# Altium PCB PCB.PcbDoc (part 1 of 2)
Units mm, origin at the board's own origin, x right, y up, seen from the top; angles counter-clockwise.
Board outline 100.01 x 69.88 mm, 2 copper layers (Top Layer, Bottom Layer); 124 components, 85 nets, 433 pads, 248 vias.
Unrouted connection lines stored in the file: 2.
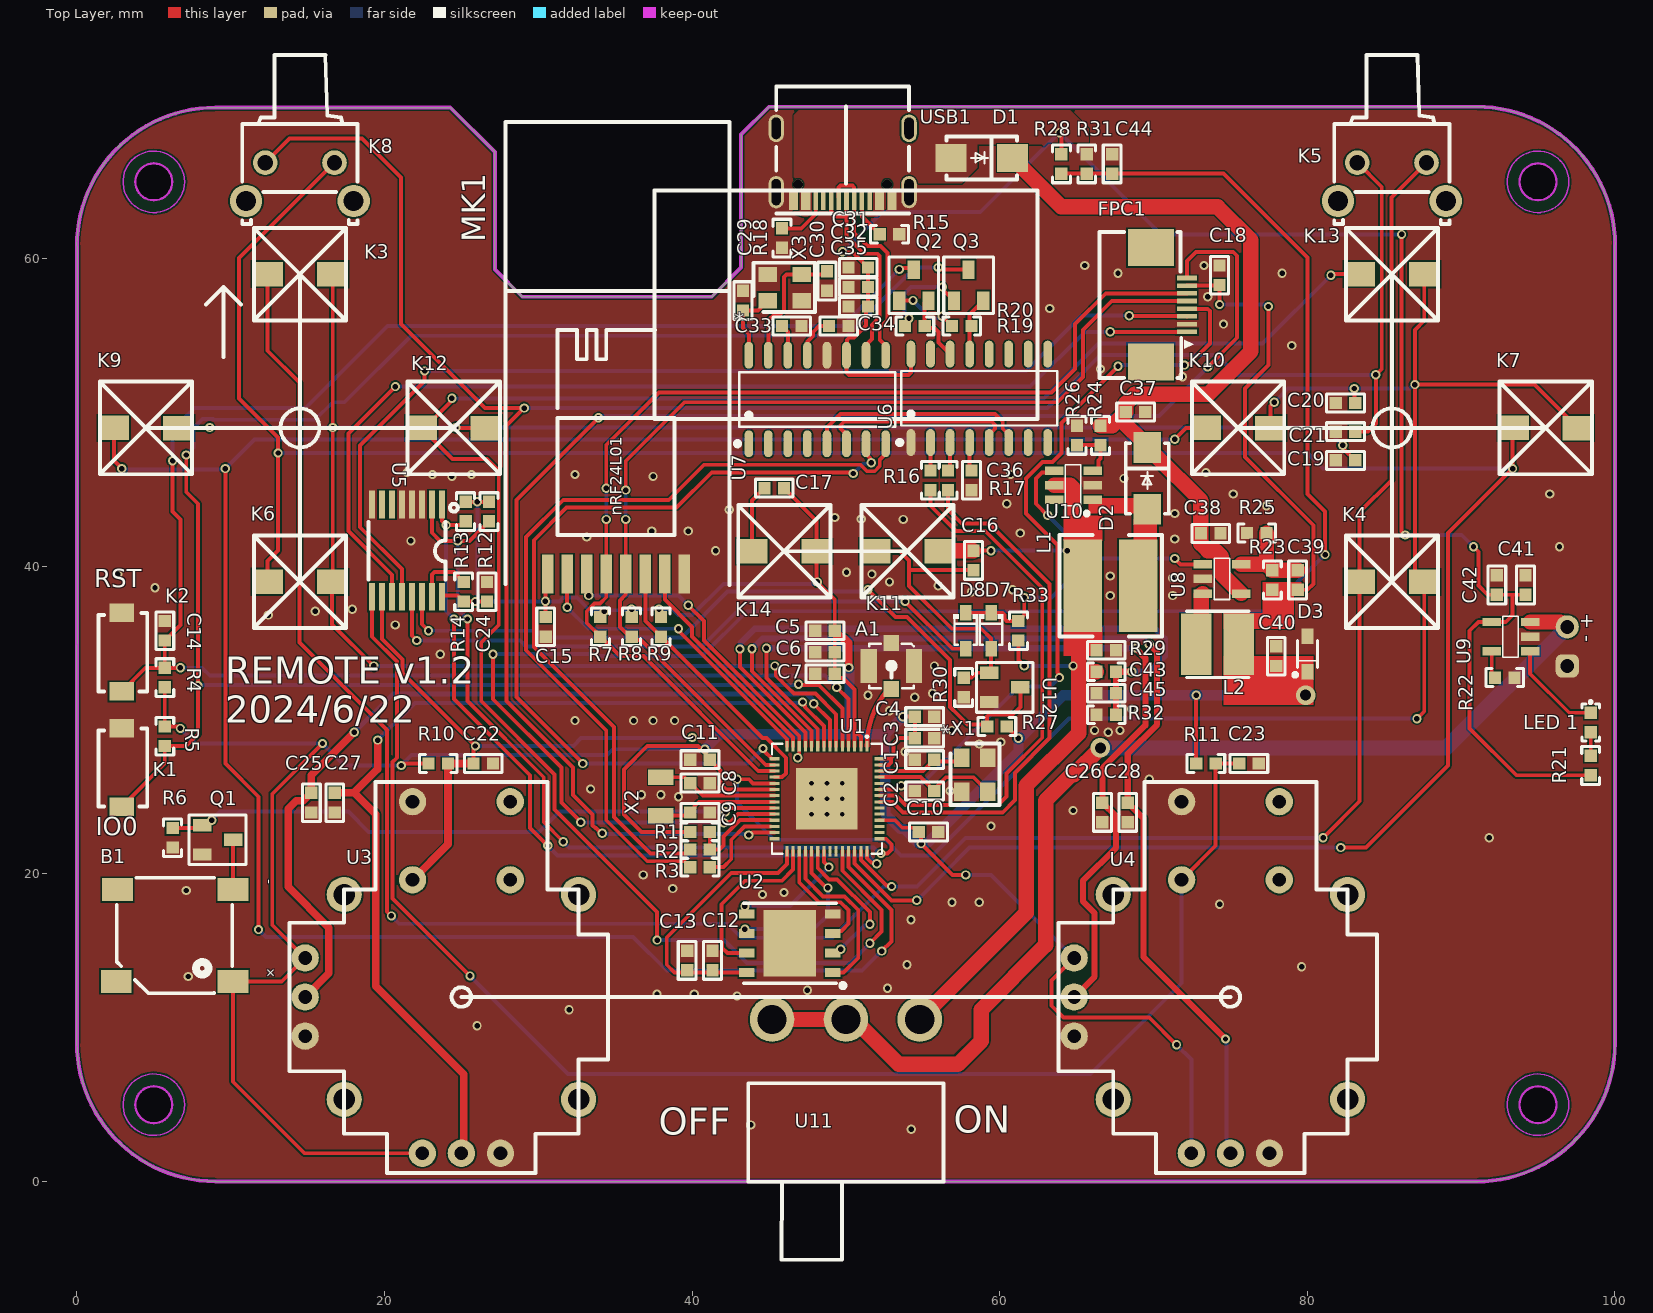
[diagram p0: Top Layer view]
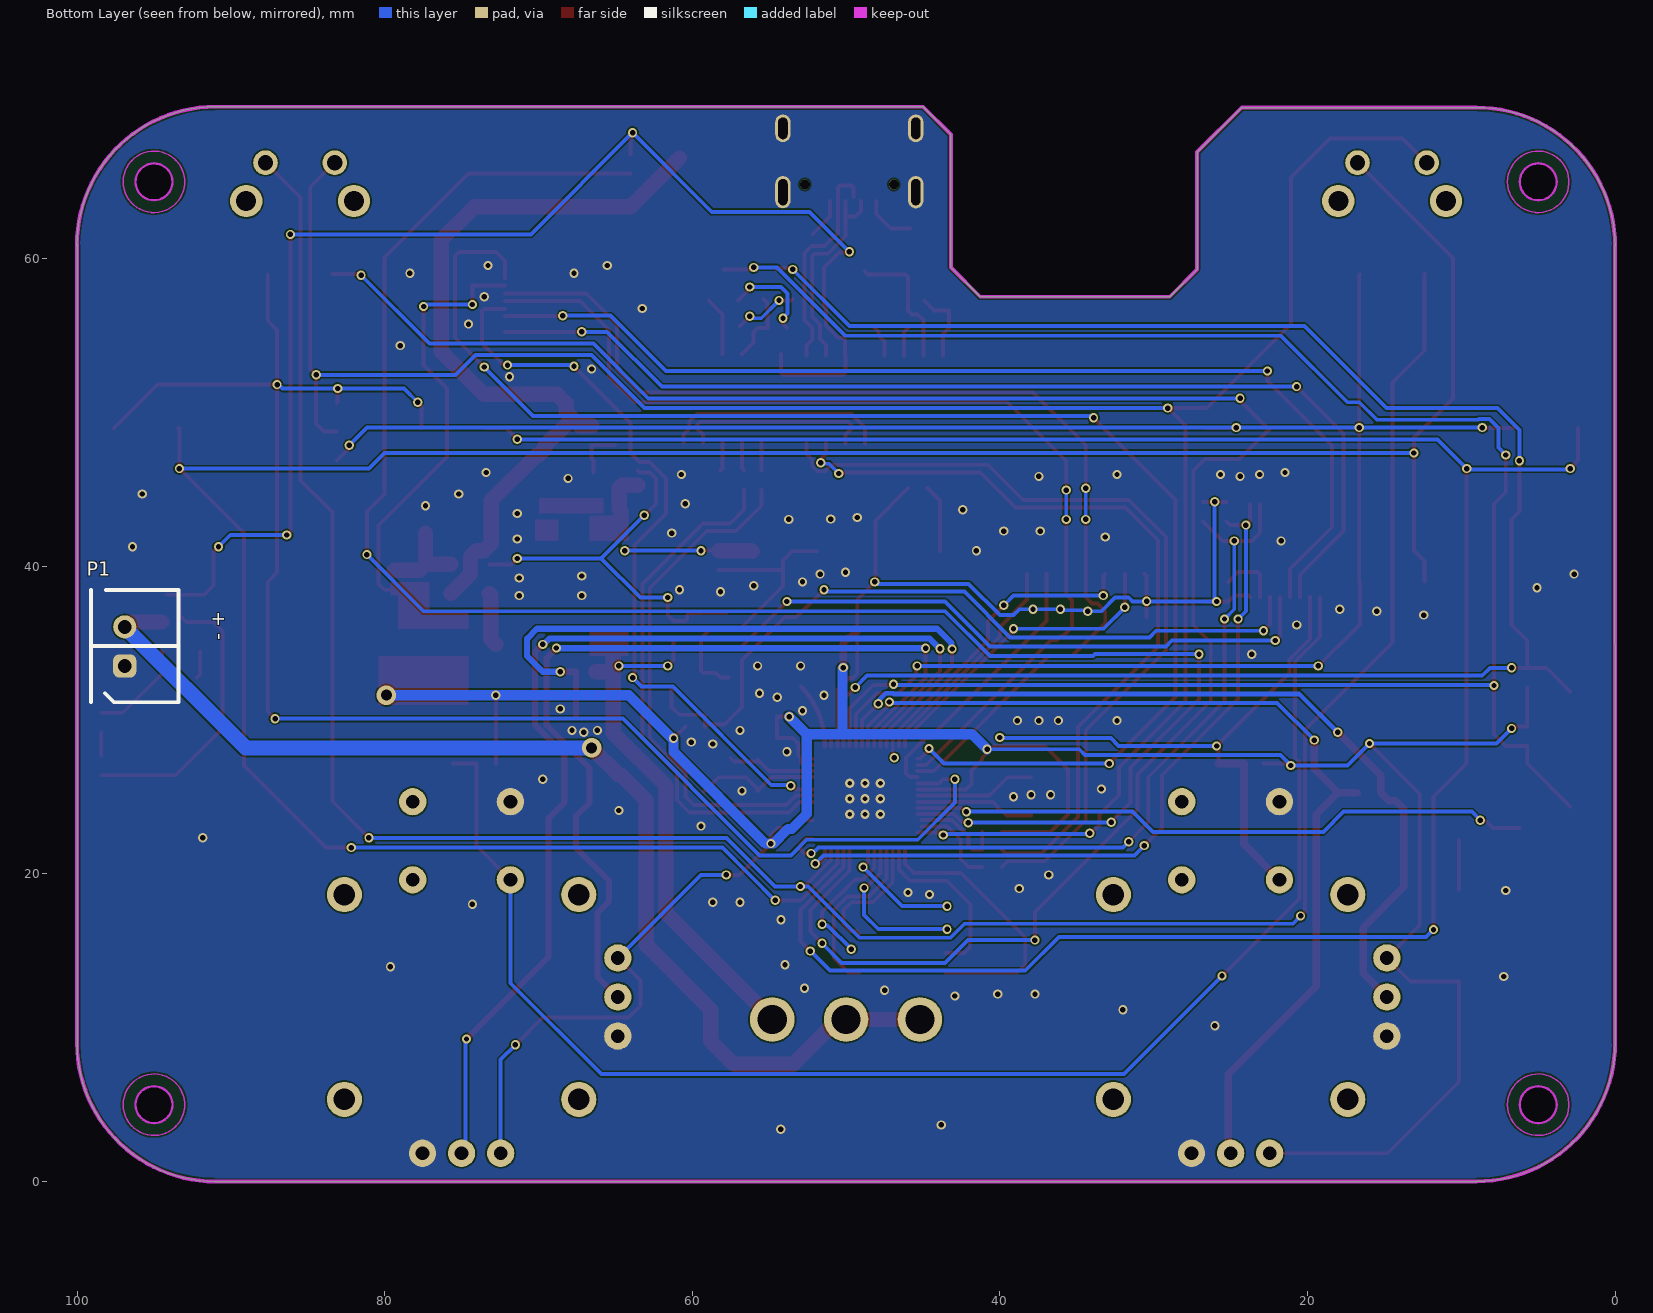
[diagram p1: Bottom Layer view, seen from below]
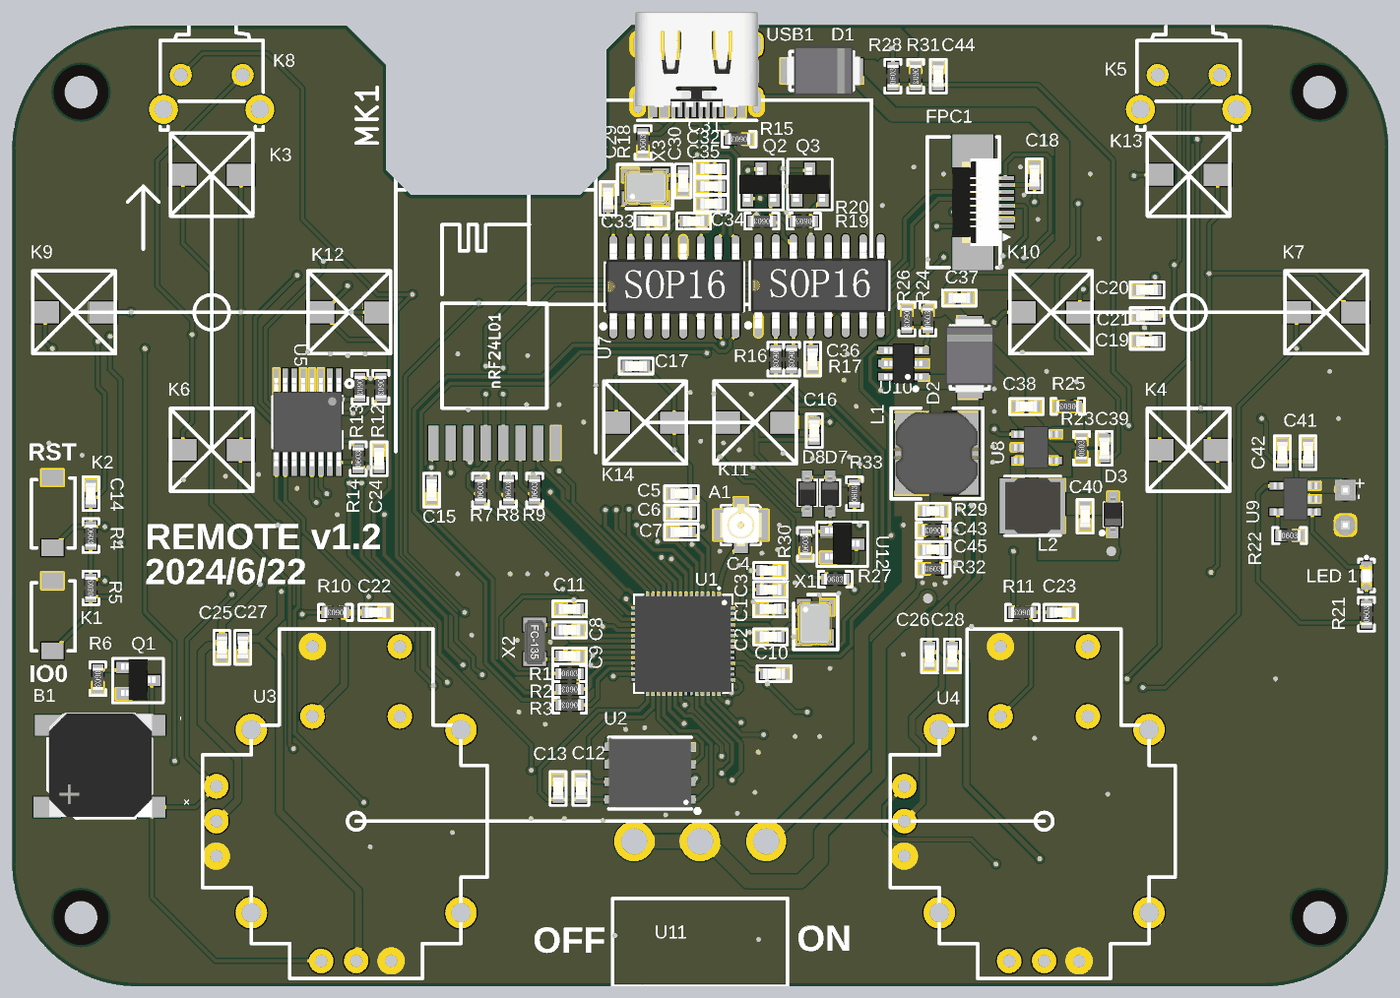
[diagram p3: 3D render of the assembled board from above, using the file's embedded part models]

## Layer stack, top to bottom
Top Solder: solder mask 0.0102, Solder Resist, Dk 3.5
Top Layer: signal copper 0.0356
Dielectric 1: dielectric 0.32, FR-4, Dk 4.8
Bottom Layer: signal copper 0.0356
Bottom Solder: solder mask 0.0102, Solder Resist, Dk 3.5

## Board outline
0,9.017 ccw(c9,9.017) 9,0.017 9,0 91.059,0 91,0 ccw(c91,9) 100,9 100,60.895 100.011,60.884 ccw(c91.011,60.884) 91.011,69.884 44.992,69.884 43.18,68.072 43.18,59.436 41.275,57.531 28.956,57.531 27.178,59.309 27.178,66.929 24.274,69.833 9,69.833 ccw(c9,60.833) 0,60.833 0.02,60.833
cut-out: 93.8,5 ccw(c95,5) 95,3.8 ccw(c95,5) 96.2,5 ccw(c95,5) 95,6.2 ccw(c95,5)
cut-out: 3.8,5 ccw(c5,5) 5,3.8 ccw(c5,5) 6.2,5 ccw(c5,5) 5,6.2 ccw(c5,5)
cut-out: 5,63.8 cw(c5,65) 3.8,65 cw(c5,65) 5,66.2 cw(c5,65) 6.2,65 cw(c5,65)
cut-out: 93.8,65 ccw(c95,65) 95,63.8 ccw(c95,65) 96.2,65 ccw(c95,65) 95,66.2 ccw(c95,65)

## Design rules (kind name [scope] priority, off if disabled: settings)
Clearance [All] p1: gap=0.1 ignorepadtopadclearanceinfootprint=FALSE except(0: Arc-Hole Track-Hole SMDPad-Hole THPad-Hole Via-Hole Fill-Hole Poly-Hole Region-Hole Text-Hole; 0.102: Arc-Arc Arc-Track Arc-SMDPad Arc-THPad Track-Track Track-SMDPad Track-THPad SMDPad-SMDPad SMDPad-THPad THPad-THPad; 0.127: Arc-Via Track-Via SMDPad-Via SMDPad-Text THPad-Via Via-Via; 0.254: Arc-Text Track-Text THPad-Text Via-Text Fill-Text Poly-Text Region-Text Text-Text)
DiffPairsRouting [All] p1: maxlimit=0.254 minlimit=0.1 mostfreqgap=0.254 toplayer_minwidth=0.2 toplayer_maxwidth=0.381 toplayer_prefwidth=0.25 bottomlayer_minwidth=0.2 bottomlayer_maxwidth=0.381 bottomlayer_prefwidth=0.25 maxuncoupledlength=12.7
HoleSize [All] p1: absolutevalues=TRUE maxlimit=30 minlimit=0.025 maxpercent=80.000 minpercent=20.000
HoleToHoleClearance [All] p1: gap=0.152 allowstackedmicrovias=TRUE
MinimumSolderMaskSliver [All] p1: minsoldermaskwidth=0
PlaneClearance [All] p1: clearance=0.254
PlaneConnect [All] p1: planeconnectstyle=Direct reliefexpansion=0.508 reliefentries=4 reliefconductorwidth=0.254 reliefairgap=0.254
PolygonConnect [All] p1: connectstyle=Direct reliefconductorwidth=0.254 reliefentries=4 polygonreliefangle="90 Angle" airgapwidth=0.254
RoutingVias [All] p1: holewidth=0.711 width=1.27 viastyle="Through Hole" minholewidth=0.3 minwidth=0.5 maxholewidth=30 maxwidth=30
SilkToSilkClearance [All] p1: silktosilkclearance=0
SilkToSolderMaskClearance [IsPad] p1: minsilkscreentomaskgap=0 clearancetoexposedcopper=TRUE
SolderMaskExpansion [All] p1: expansion=0.102 istentingtop=FALSE
Width [All] p1: maxlimit=3 minlimit=0.1 preferedwidth=0.254
22 further rules are at their usual default settings.

## Classes and differential pairs
component class Sheet0-mcu: A1 C1 C2 C3 C4 C5 C6 C7 C8 C9 C10 C11 C12 C13 C14 K1 K2 R1 R2 R3 R4 R5 U1 U2 X1 X2
component class Sheet1-control: B1 C15 C16 C17 C18 C19 C20 C21 C22 C23 C24 C25 C26 C27 C28 FPC1 K3 K4 K5 K6 K7 K8 K9 K10 K11 K12 K13 K14 MK1 Q1 R6 R7 R8 R9 R10 R11 R12 R13 R14 U3 U4 U5
component class Sheet2-USB: C29 C30 C31 C32 C33 C34 C35 C36 C37 C38 C39 C40 C41 C42 C43 C44 C45 D1 D2 D3 D7 D8 L1 L2 "LED 1" P1 Q2 Q3 R15 R16 R17 R18 R19 R20 R21 R22 R23 R24 R25 R26 R27 R28 R29 R30 R31 R32 R33 U6 U7 U8 U9 U10 U11 U12 USB1 X3
differential pair IO: +IO_P -IO_N
differential pair ESP32: +ESP32_P -ESP32_N
differential pair CH340: +CH340_P -CH340_N
differential pair USB: +USB_P -USB_N

## Components (designator, comment, footprint, x,y, rotation, side; value= is the part's Value field where it differs from the comment)
A1 "ANT-IPEX" IPEX-SMD_HC-RF-IPEX0303-01 52.959,33.528 r0 top
B1 "BUZZER1" BUZ-SMD_GSC7525RA 6.35,16.002 r180 top
C1 "15pF" CC1608-0603 55.118,27.432 r0 top
C2 "15pF" CC1608-0603 55.118,25.4 r0 top
C3 "1uF" CC1608-0603 55.118,28.829 r180 top
C4 "100NF" CC1608-0603 55.118,30.226 r180 top
C5 "1uF" CC1608-0603 48.641,35.814 r0 top
C6 "100NF" CC1608-0603 48.641,34.417 r0 top
C7 "100NF" CC1608-0603 48.641,33.02 r0 top
C8 "12.5pF" CC1608-0603 40.513,25.908 r180 top
C9 "12.5pF" CC1608-0603 40.513,24.003 r180 top locked
C10 "100NF" CC1608-0603 55.372,22.733 r180 top
C11 "100NF" CC1608-0603 40.513,27.432 r0 top
C12 "1uF" CC1608-0603 41.33,14.379 r270 top
C13 "100NF" CC1608-0603 39.679,14.379 r270 top
C14 "1uF/NC" CC1608-0603 5.715,35.814 r270 top
C15 "100NF" CC1608-0603 30.48,36.068 r90 top
C16 "100PF" CC1608-0603 58.293,40.386 r90 top
C17 "100PF" CC1608-0603 45.339,45.085 r0 top
C18 "100NF" CC1608-0603 74.295,58.928 r90 top
C19 "100pF" CC1608-0603 82.478,46.89 r0 top locked
C20 "100pF" CC1608-0603 82.478,50.628 r0 top
C21 "100pF" CC1608-0603 82.478,48.759 r0 top
C22 "100nF" CC1608-0603 26.416,27.178 r180 top
C23 "100nF" CC1608-0603 76.2,27.178 r180 top
C24 "100NF" CC1608-0603 26.67,38.354 r270 top
C25 "100nF" CC1608-0603 15.24,24.638 r90 top
C26 "100nF" CC1608-0603 66.675,24.003 r90 top
C27 "100pF" CC1608-0603 16.764,24.638 r90 top
C28 "100pF" CC1608-0603 68.326,24.003 r90 top
C29 "20pF" CC1608-0603 43.307,57.277 r270 top
C30 "20pF" CC1608-0603 48.768,58.547 r90 top
C31 "1uF" CC1608-0603 50.8,59.436 r0 top
C32 "100NF" CC1608-0603 50.8,58.166 r0 top
C33 "10UF" CC1608-0603 46.482,55.626 r180 top
C34 "10UF" CC1608-0603 49.53,55.626 r180 top
C35 "100NF" CC1608-0603 50.8,56.896 r0 top
C36 "100NF" CC1608-0603 58.166,45.593 r90 top
C37 "22uF" CC1608-0603 68.834,50.038 r0 top
C38 "10uF" CC1608-0603 73.715,42.144 r180 top
C39 "22PF" CC1608-0603 79.375,39.116 r270 top
C40 "10uF" CC1608-0603 77.978,34.163 r270 top
C41 "1uF" CC1608-0603 94.189,38.79 r270 top
C42 "100NF" CC1608-0603 92.32,38.79 r270 top
C43 "22uF" CC1608-0603 66.929,34.544 r180 top
C44 "100NF" CC1608-0603 67.31,66.167 r270 top
C45 "100NF" CC1608-0603 66.929,31.75 r0 top
D1 "SS34" "DO-214 AA" 58.833,66.548 r180 top
D2 "SS34A" "DO-214 AA SMB" 69.596,45.72 r270 top
D3 "PESD3V3L1BA" SOD-323 80.01,33.147 r90 top
D7 "1N5819" SOD-323_L1.8-W1.3-LS2.5-RD 59.436,35.814 r270 top
D8 "1N5819" SOD-323_L1.8-W1.3-LS2.5-RD 57.785,35.814 r270 top
FPC1 "FFC 05 8P" FFC-SMD_8P-P0.50 71,57 r270 top locked
K1 "KEY 3*4" "KEY 3*4" 2.921,24.384 r90 top
K2 "KEY 3*4" "KEY 3*4" 2.921,31.877 r90 top
K3 "KEY 6*6*5" "KEY 6*6*5" 14.5,59 r0 top locked
K4 "KEY 6*6*5" "KEY 6*6*5" 85.5,39 r0 top locked
K5 "SW-TH_4P_H" SW-TH_KH-6X6X7H-ZJ 85.5,65 r0 top locked
K6 "KEY 6*6*5" "KEY 6*6*5" 14.5,39 r0 top locked
K7 "KEY 6*6*5" "KEY 6*6*5" 95.5,49 r0 top locked
K8 "SW-TH_4P_H" SW-TH_KH-6X6X7H-ZJ 14.5,65 r0 top locked
K9 "KEY 6*6*5" "KEY 6*6*5" 4.5,49 r0 top locked
K10 "KEY 6*6*5" "KEY 6*6*5" 75.5,49 r0 top locked
K11 "KEY 6*6*5" "KEY 6*6*5" 54,40.983 r0 top locked
K12 "KEY 6*6*5" "KEY 6*6*5" 24.5,49 r0 top locked
K13 "KEY 6*6*5" "KEY 6*6*5" 85.5,59 r0 top locked
K14 "KEY 6*6*5" "KEY 6*6*5" 46,40.983 r0 top
L1 "10uH" Inductor-6045 65.405,38.735 r90 top locked
L2 "1uH" Inductor-4018 74.168,34.925 r0 top
"LED 1" "LED 0603" "LED 0603" 98.425,29.845 r90 top
MK1 "GT-24" WIRELM-SMD_AS01-ML01S 30.607,39.497 r90 top locked
P1 "Header 2" HX2.54-2 96.901,33.528 r90 bottom locked
Q1 "SI2302" SOT-23 8.14,23.175 r270 top
Q2 "S8050" SOT-23 53.465,57.277 r0 top
Q3 "S8050" SOT-23 57.023,57.277 r0 top
R1 "1.5K" CR1608-0603 40.513,22.733 r0 top locked
R2 "0R" CR1608-0603 40.513,21.59 r180 top
R3 "0R" CR1608-0603 40.513,20.447 r180 top
R4 "10K/NC" CR1608-0603 5.715,32.766 r270 top
R5 "10K" CR1608-0603 5.715,28.956 r90 top
R6 "33KR" CR1608-0603 6.223,22.352 r270 top
R7 "10K" CR1608-0603 34.036,36.068 r90 top
R8 "10K" CR1608-0603 36.068,36.068 r90 top
R9 "10K" CR1608-0603 37.973,36.068 r90 top
R10 "10K" CR1608-0603 23.495,27.178 r180 top
R11 "10K" CR1608-0603 73.406,27.178 r180 top
R12 "10K" CR1608-0603 26.797,43.561 r270 top
R13 "10K" CR1608-0603 25.273,43.561 r270 top
R14 "10K" CR1608-0603 25.146,38.354 r90 top
R15 "5.1K" CR1608-0603 52.832,61.595 r180 top
R16 "470R" CR1608-0603 55.499,45.593 r270 top
R17 "470R" CR1608-0603 56.642,45.593 r270 top locked
R18 "5.1K" CR1608-0603 45.847,61.341 r90 top
R19 "12K/10K" CR1608-0603 57.531,55.626 r180 top
R20 "12K/10K" CR1608-0603 54.483,55.626 r180 top
R21 "1K" CR1608-0603 98.425,27.051 r90 top
R22 "2K" CR1608-0603 92.837,32.766 r0 top
R23 "100K" CR1608-0603 77.724,39.116 r90 top
R24 "78.7KR" CR1608-0603 66.548,48.514 r90 top
R25 "22.1K" CR1608-0603 76.708,42.164 r180 top
R26 "10KR" CR1608-0603 65.024,48.514 r270 top
R27 "100KR" CR1608-0603 59.817,29.591 r0 top
R28 "10K" CR1608-0603 64.008,66.167 r90 top
R29 "10K" CR1608-0603 66.929,33.147 r180 top
R30 "10KR" CR1608-0603 57.658,32.131 r90 top
R31 "10K" CR1608-0603 65.659,66.167 r270 top
R32 "10K" CR1608-0603 66.929,30.353 r0 top
R33 "0R/NC" CR1608-0603 61.214,35.814 r90 top
U1 "ESP32-S3" QFN-56 48.768,24.892 r270 top
U2 "W25Q128JVPIQ" WSON-8 46.355,15.494 r90 top locked
U3 "rocker" PCBComponent_1 25,12 r0 top locked
U4 "rocker" PCBComponent_1 75,12 r0 top locked
U5 "PCA9557PW" TSSOP-16 21.463,41.021 r180 top
U6 "CH340C" SOP-16 58.674,50.927 r0 top
U7 "SL2.1A" SOP-16 48.133,50.848 r0 top
U8 "SY8089A1AAC" SOT23-5 73.192,38.227 r90 top
U9 "TP4054" SOT23-5 94.488,36.388 r270 top
U10 "SX1308" SOT23-6 64.77,45.212 r90 top
U11 "HX SS12D10G4" SW-TH_3P-SS12D06 50,10.541 r0 top locked
U12 "AO3400A" SOT-23 59.321,33.081 r270 top
USB1 "Tpye-c 16P" "TYPE-C 16P" 46.898,64.829 r180 top locked
X1 "3225_40M" XTAL-3225 59.231,27.559 r270 top
X2 "32.768kKHz" XTAL-3215 37.973,26.289 r270 top
X3 "3225_12M" XTAL-3225 44.917,58.977 r0 top

## Footprints (in the part's own frame and the unit in brackets; to place one, negate y for a bottom-side part, rotate by r counter-clockwise, add the part's x,y. Pads: shape width x height; smd on the part's side, far side on the other; paste and mask are expansions set on the pad)
BUZ-SMD_GSC7525RA [mm]
  rect 2x1.5 smd paste+0 mask+0.051: 1(-3.795,2.98) 2(-3.795,-2.98) 3(3.705,-2.98) 3(3.795,2.98)
  silkscreen extent -3.75,-3.75 3.76,3.76, body extent -3.81,-3.81 3.69,3.69, height 2.5
CC1608-0603 [mm]
  rect 0.8x0.8 smd: 1(-0.635,0) 2(0.635,0)
  silkscreen extent -1.23,-0.58 1.23,0.58, body extent -0.8,-0.4 0.8,0.4, height 0.3
CR1608-0603 [mm]
  rect 0.8x0.8 smd: 1(-0.635,0) 2(0.635,0)
  silkscreen extent -1.23,-0.58 1.23,0.58, body extent -0.8,-0.4 0.8,0.4, height 0.45
"DO-214 AA" [mm] "SMB"
  rect 2x1.8 smd: 1(-2,0) 2(2,0)
  silkscreen extent -2.3,-1.4 2.3,1.4, body extent -2.83,-1.8 2.57,1.8, height 2.4
"DO-214 AA SMB" [mm]
  rect 2x1.8 smd: 1(-2,0) 2(2,0)
  silkscreen extent -2.3,-1.4 2.3,1.4, body extent -2.83,-1.8 2.57,1.8, height 2.4
FFC-SMD_8P-P0.50 [mm]
  rect 0.3x1.3 smd paste+0 mask+0.051: 1(1.75,1.175) 2(1.25,1.175) 3(0.75,1.175) 4(0.25,1.175) 5(-0.25,1.175) 6(-0.75,1.175) 7(-1.25,1.175) 8(-1.75,1.175)
  rect 2.4x3 smd paste+0 mask+0.051: 9(3.725,-1.175) 10(-3.725,-1.175)
  silkscreen extent -4.75,-4.5 4.75,1.6, body extent -3.18,-2.71 3.18,0.89, height 0.85
HX2.54-2 [mm] "两针白色插座（已加焊）"
  rrect50% 1.5x1.5 hole 0.9: 1(0,0)
  round 1.5 hole 0.9: 2(2.54,0)
  silkscreen extent -2.36,-3.5 4.94,2.2, body extent -2.48,-3.55 5.02,2.45, height 7
Inductor-4018 [mm]
  rect 2x4 smd paste+0 mask+0.051: 1(-1.397,0) 2(1.373,0)
  silkscreen extent -2.03,-2.16 2.03,2.16, body extent -2,-2 2,2, height 1.8
Inductor-6045 [mm] "电感"
  rect 6x2.5 smd: 1(0,0) 2(0,-3.6)
  silkscreen extent -3.3,-5.14 3.3,1.52, body extent -3,-4.93 3,1.37, height 4.5
IPEX-SMD_HC-RF-IPEX0303-01 [mm] "孔径2.0mm"
  rect 1x1.05 smd: 1(0,-1.5) 4(0,1.5)
  rect 1.05x2.2 smd: 2(1.475,0) 3(-1.475,0)
  silkscreen extent -1.45,-1.45 1.45,1.45, body extent -1.5,-1.55 1.5,1.55, height 1.25
"KEY 3*4" [mm]
  rect 1.2x1.6 smd: 1(0,0) 2(5.1,0)
  silkscreen extent 0,-1.65 5.08,1.52, body extent 0.25,-1.71 4.7,1.46, height 2.01
"KEY 6*6*5" [mm] "无声微动开关"
  rect 2x1.6 smd: 1(-2.1,0) 2(2.1,-0.013)
  silkscreen extent -3,-3.01 3,3.01, body extent -3,-3.01 3,3.01, height 6
"LED 0603" [mm]
  rect 0.8x0.8 smd: 1(-0.635,0) 2(0.635,0)
  silkscreen extent -1.21,-0.57 1.4,0.57, body extent -0.8,-0.4 0.8,0.4, height 0.6
PCBComponent_1 [mil]
  round 70 hole 35.4 paste+0 mask+4: 1(-125,500) 2(125,500) 3(-125,300) 4(125,300)
  round 70 hole 35 paste+0 mask+4: 5(-400,100) 6(-400,0) 7(-400,-100) 8(-100,-400) 9(0,-400) 10(100,-400)
  round 90 hole 55 paste+0 mask+4: MOUNT1(-300,262) MOUNT2(-300,-262) MOUNT3(300,-262) MOUNT4(300,262)
  silkscreen extent -440,-450 375,550, body extent -447,-446 290,535, height 772
QFN-56 [mm]
  rect 0.665x0.2 smd paste-100 mask+0.051: 1(-3.407,2.6) 2(-3.407,2.2) 3(-3.407,1.8) 4(-3.407,1.4) 5(-3.407,1) 6(-3.407,0.6) 7(-3.407,0.2) 8(-3.407,-0.2) 9(-3.407,-0.6) 10(-3.407,-1) 11(-3.407,-1.4) 12(-3.407,-1.8) 13(-3.407,-2.2) 14(-3.407,-2.6) 29(3.408,-2.6) 30(3.408,-2.2) 31(3.408,-1.8) 32(3.408,-1.4) 33(3.408,-1) 34(3.408,-0.6) 35(3.408,-0.2) 36(3.408,0.2) 37(3.408,0.6) 38(3.408,1) 39(3.408,1.4) 40(3.408,1.8) 41(3.408,2.2) 42(3.408,2.6)
  rect 0.2x0.665 smd paste-100 mask+0.051: 15(-2.6,-3.407) 16(-2.2,-3.407) 17(-1.8,-3.407) 18(-1.4,-3.407) 19(-1,-3.407) 20(-0.6,-3.407) 21(-0.2,-3.407) 22(0.2,-3.407) 23(0.6,-3.407) 24(1,-3.407) 25(1.4,-3.407) 26(1.8,-3.407) 27(2.2,-3.407) 28(2.6,-3.407) 43(2.6,3.408) 44(2.2,3.408) 45(1.8,3.408) 46(1.4,3.408) 47(1,3.408) 48(0.6,3.408) 49(0.2,3.408) 50(-0.2,3.408) 51(-0.6,3.408) 52(-1,3.408) 53(-1.4,3.408) 54(-1.8,3.408) 55(-2.2,3.408) 56(-2.6,3.408)
  rect 4x4 smd paste-100 mask+0.051: 57(0,0)
  silkscreen extent -4.11,-3.58 3.58,3.58, body extent -3.51,-3.52 3.51,3.49, height 0.9
SOD-323 [mm]
  rect 1x0.8 smd: 1(0,0) 2(2.3,0)
  silkscreen extent -0.32,-0.65 2.02,0.92, body extent -0.16,-0.67 2.44,0.68, height 1.1
SOD-323_L1.8-W1.3-LS2.5-RD [mm]
  rect 1x0.75 smd paste+0 mask+0.051: 1(-1.173,0) 2(1.173,0)
  silkscreen extent -1.08,-0.8 0.9,0.8, body extent -1.3,-0.67 1.3,0.68, height 1.1
SOP-16 [mm]
  oval 0.56x1.745 smd: 1(-4.445,-2.873) 2(-3.175,-2.873) 3(-1.905,-2.873) 4(-0.635,-2.873) 5(0.635,-2.873) 6(1.905,-2.873) 7(3.175,-2.873) 8(4.445,-2.873) 9(4.445,2.873) 10(3.175,2.873) 11(1.905,2.873) 12(0.635,2.873) 13(-0.635,2.873) 14(-1.905,2.873) 15(-3.175,2.873) 16(-4.445,2.873)
  silkscreen extent -5.33,-3.02 5.08,1.77, body extent -4.99,-3.09 4.99,3.14, height 1.59
SOT23-5 [mm] "适用于MIC5205"
  rect 0.55x1.2 smd: 1(1.905,0) 2(0.955,0) 3(0.005,0) 4(0.005,-2.5) 5(1.905,-2.5)
  silkscreen extent -0.38,-1.78 2.29,-0.76, body extent -0.6,-2.82 2.5,0.38, height 1.45
SOT23-6 [mm]
  rect 0.55x1.2 smd: 1(-0.889,-1.27) 2(0.061,-1.27) 3(1.011,-1.27) 4(1.011,1.23) 5(0.061,1.23) 6(-0.889,1.23)
  silkscreen extent -1.9,-1.02 1.4,0.51, body extent -1.39,-1.4 1.51,1.4, height 1.45
SOT-23 [mm]
  rect 0.8x1.2 smd: 1(0,0) 2(1.905,0) 3(0.95,2.02)
  silkscreen extent -0.66,-0.84 2.57,2.84, body extent -0.61,-0.23 2.39,2.27, height 1.05
SW-TH_3P-SS12D06 [mm]
  round 2.9 hole 1.9 paste+0 mask+0.051: 1(-4.8,0) 2(0,0) 3(4.8,0)
  silkscreen extent -6.35,-15.62 6.35,-4.15, body extent -6.35,-15.68 6.35,-4.19, height 6.7
SW-TH_KH-6X6X7H-ZJ [mm]
  round 1.6 hole 1 paste+0 mask+0.05: 1(2.25,1.25) 2(-2.25,1.25)
  round 2.1 hole 1.3 paste+0 mask+0.05: 3(3.5,-1.25) 4(-3.5,-1.25)
  silkscreen extent -3.75,-2.75 3.75,8.25, body extent -3.75,-0.7 3.75,8.19, height 7
TSSOP-16 [mm]
  rect 0.406x1.803 smd paste+0 mask+0.102: 1(-2.275,-3) 2(-1.625,-3) 3(-0.975,-3) 4(-0.325,-3) 5(0.325,-3) 6(0.975,-3) 7(1.625,-3) 8(2.275,-3) 9(2.275,3) 10(1.625,3) 11(0.975,3) 12(0.325,3) 13(-0.325,3) 14(-0.975,3) 15(-1.625,3) 16(-2.275,3)
  silkscreen extent -3.3,-3.05 2.5,1.88, body extent -2.5,-3.2 2.5,3.2, height 1.1
"TYPE-C 16P" [mm]
  oval 1x2.099 hole 0.6 slot 1.7 at 90 deg: 1(-7.21,0.5) 2(1.43,0.5)
  oval 1x1.799 hole 0.6 slot 1.4 at 90 deg: 3(-7.21,-3.65) 4(1.43,-3.65)
  rect 0.6x1.15 smd: A1B12(-6.09,1.075) A4B9(-5.29,1.075) B1A12(0.31,1.075) B4A9(-0.49,1.075)
  rect 0.3x1.15 smd: A5(-4.14,1.075) A6(-3.14,1.075) A7(-2.64,1.075) A8(-1.64,1.075) B5(-1.14,1.075) B6(-2.14,1.075) B7(-3.64,1.075) B8(-4.64,1.075)
  round 0.65 hole 0.65 unplated: ""(-5.78,0) ""(0,0)
  silkscreen extent -7.21,-6.37 1.43,1.89, body extent -7.31,-6 1.63,0.9, height 3.18
WIRELM-SMD_AS01-ML01S [mil]
  rect 100x30 smd paste+0 mask+2: 1(0,0) 2(0,-50) 3(0,-100) 4(0,-150) 5(0,-200) 6(0,-250) 7(0,-300) 8(0,-350)
  silkscreen extent -27,-465 1158,108, body extent -28,-460 1152,105, height 24
WSON-8 [mm]
  rect 0.6x1 smd paste+0 mask+0.051: 1(-1.905,-2.8) 2(-0.635,-2.8) 3(0.635,-2.8) 4(1.905,-2.8) 5(1.905,2.8) 6(0.635,2.8) 7(-0.635,2.8) 8(-1.905,2.8)
  rect 4.3x3.4 smd paste+0 mask+0.051: 9(0,0)
  silkscreen extent -2.9,-3.6 2.6,3, body extent -2.5,-3 2.5,3, height 0.7
XTAL-3215 [mm]
  rect 1x1.65 smd: 1(0,0) 2(2.5,0)
  body extent -0.33,-0.75 2.87,0.75, height 0.8
XTAL-3225 [mm]
  rect 1.2x1 smd: 1(0,-1.7) 2(2.2,-1.7) 3(2.2,0) 4(0,0)
  silkscreen extent -0.91,-2.44 3.07,0.76, body extent -0.43,-2.15 2.77,0.35, height 0.61

## Part data
A1: "贴片封装的天线 封装类型为IPEX"
B1: "2700Hz", Manufacturer=INGHAi(赢海), Manufacturer Part=GSC7525RA-16R2700, Contributor=LCSC, nameAlias=Value, spicePre=B, spiceSymbolName=GSC7525RA-16R2700, Supplier=LCSC, Supplier Part=C255313
C1 C2 C3 C4 C5 C6 C7 C8 C9 C10 C11 C12 C13 C14 C15 C16 C17 C18 C19 C20 C21 C22 C23 C24 C25 C26 C27 C28 C29 C30 C31 C32 C33 C34 C35 C36 C38 C39 C40 C41 C42 C43 C44 C45: library part "Cap Chip 0603", "0603封装的电容", Published=8-Jun-2000, Publisher="Altium Limited", Revision="July-2002: Re-released for DXP Platform."
C37: library part "Chip capacitor", "贴片电容"
D1 D7 D8: "肖特基二极管"
D2: "大电流肖特基二极管，5A/40V"
D3: "SOD-323 3.3V 双向ESD防静电二极管保护芯片", JLCPCB Part Class="Extended Part", Manufacturer=MDD, Manufacturer Part=SMAJ6.5CA, spicePre=D, spiceSymbolName=SMAJ6.5CA-C110041, Supplier=LCSC, Supplier Part=C110041
FPC1: JLCPCB Part Class="Extended Part", Manufacturer=TXGA(特思嘉), Manufacturer Part=FFC05001-08SBB124W5M-H, Contributor=LCSC, spicePre=F, spiceSymbolName=FFC05001-08SBB124W5M-H, Supplier=LCSC, Supplier Part=C456420
K1 K2: "轻触开关按键"
K3 K4 K6 K7 K9 K10 K11 K12 K13 K14: "无声轻触开关"
K5 K8: "卧式轻触开关"
L1: library part Inductor-6045, "6045封装 线绕SMD功率电感"
L2: library part Inductor-4018, "贴片电感 1206封装"
MK1: "工业级GT-24数传无线模块 2.4G NRF24L01&PA+LNA", JLCPCB Part Class="Extended Part", Manufacturer=Ashining(泽耀科技), Manufacturer Part=AS01-ML01S, spicePre=M, spiceSymbolName=AS01-ML01S, Supplier=LCSC, Supplier Part=C84802
P1: "Header, 2-Pin", LatestRevisionDate=17-Jul-2002, LatestRevisionNote="Re-released for DXP Platform.", Publisher="Altium Limited"
Q1: "N沟道  / 漏源电压(Vdss) 20V  / 连续漏极电流(Id) 2.8A  / 功率(Pd) 900mW  / 导通电阻(RDS(on)@Vgs,Id) 55mΩ@4.5V,2.8A  / 阈值电压(Vgs(th)@Id) 1.2V@250uA  / 输入电容(Ciss@Vds) 260pF@10V", JLCPCB Part Class="Extended Part", Manufacturer=TWGMC(台湾迪嘉), Manufacturer Part=SI2306, Contributor=LCSC, spicePre=Q, spiceSymbolName=SI2306_C727154, Supplier=LCSC, Supplier Part=C727154
Q2 Q3: Manufacturer=SALLTECH(萨瑞), Contributor=lcsc, Manufacturer Part=S8050, spicePre=Q, spiceSymbolName=S8050_C3027096, Supplier=LCSC, Supplier Part=C3027096
R1 R2 R3 R4 R5 R7 R8 R9 R10 R11 R12 R13 R14 R15 R16 R17 R18 R19 R20 R21 R22 R23 R25 R28 R29 R31 R32 R33: library part "Resistor Chip 0603", "0603封装电阻", Published=8-Jun-2000, Publisher="Altium Limited", Revision="July-2002: Re-released for DXP Platform."
R6 R24 R26 R27 R30: library part "Chip resistor", "贴片电阻"
U1: JLCPCB Part Class="Extended Part", Manufacturer=ESPRESSIF(乐鑫), Contributor=LCSC, Manufacturer Part=ESP32-S3, spicePre=U, spiceSymbolName=ESP32-S3, Supplier=LCSC, Supplier Part=C2913192
U2: JLCPCB Part Class="Extended Part", Manufacturer=WINBOND(华邦), Contributor=LCSC, Manufacturer Part=W25Q128JVPIQ, spicePre=U, spiceSymbolName=W25Q128JVPIQ, Supplier=LCSC, Supplier Part=C2803379
U3 U4: Manufacturer Part=摇杆, Contributor=Alex_Ai, spicePre=U, spiceSymbolName="摇杆_直插_圆半径13_10电气脚_4固定脚 COPY"
U5: "TSSOP-16 8位I2C总线和SMBus I/O扩展器芯片", JLCPCB Part Class="Extended Part", Manufacturer=TI(德州仪器), Contributor=LCSC, Manufacturer Part=PCA9557PW, spicePre=U, spiceSymbolName=PCA9557PW, Supplier=LCSC, Supplier Part=C1542488
U6: JLCPCB Part Class="Extended Part", Manufacturer=WCH(南京沁恒), Manufacturer Part=CH340C, spicePre=U, spiceSymbolName=CH340C, Supplier=LCSC, Supplier Part=C84681
U7: "USB HUB 四拓展"
U8: "SY8089A1是一种高效率的1.5MHz同步降压DC/DC稳压器，能够提供高达输出电流2A。它可以在2.5V到5.5V的宽输入电压范围内工作，集成了主开关和同步开关，具有极低的RDS(ON)，最大限度地减少了导通损耗。 / 输出电压纹波小，外接电感小，电容器尺寸小 / 1.5MHz开关频率。"
U9: "迷你充电IC SOT-23-5"
U10: "SOT23-6 升压芯片"
U11: library part SW-TH_3P-SS12D06, BOM_JLCPCB Part Class="Extended Part", BOM_Manufacturer=hanxia(韩下), BOM_Manufacturer Part="HX SS12D10G4", BOM_Supplier=LCSC, BOM_Supplier Part=C5149841, Contributor=lcsc, link=https://atta.szlcsc.com/upload/public/pdf/source/20220907/2020D7183ED16DD6E2B9F5A13FB144CF.pdf, spicePre=U, spiceSymbolName="HX SS12D10G4"
U12: "UMW AO3400A SOT-23 30V/5.8A N沟道 MOS(场效应管)芯片", JLCPCB Part Class="Extended Part", Manufacturer=ElecSuper(静芯微）, Manufacturer Part=AO3401A, Contributor=lcsc, link=https://so.szlcsc.com/global.html?k=C5224202&ref=editor, spicePre=U, spiceSymbolName=AO3401A_C5224202, Supplier=LCSC, Supplier Part=C5224202
USB1: "16P 封装的TYPE -c接口 4固定插脚 双向"
X1 X3: library part "XTAL 3225", "3225封装的晶振"
X2: library part "XTAL 3215 32.768kKHz", "3215封装的时钟晶振"

## Via types
v1: diameter 0.6, hole 0.35, Top Layer to Bottom Layer, tented both sides, 237 vias
v2: diameter 0.61, hole 0.305, Top Layer to Bottom Layer, tented both sides, 9 vias
v3: diameter 1.27, hole 0.711, Top Layer to Bottom Layer, tented both sides, 2 vias

## Nets (pads, with @x,y where several pads share a name; then routed paths per layer and width w, separated by ;. In a path a pad name is that pad's centre, name@x,y a point inside that pad or via, vN(x,y) a via of type N, cw(c..) or ccw(c..) an arc to the next point about the centre after c; other vN are vias at no path point)
3.3V: B1.1 C3.2 C4.2 C5.2 C6.2 C7.2 C10.2 C11.2 C15.2 C17.2 C18.1 C24.2 C39.2 C40.2 D3.1 FPC1.7 K14.2 L2.2 MK1.1 R1.1 R4.2 R5.2 R7.2 R8.2 R9.2 R10.2 R11.2 R12.1 R13.1 R14.1 R23.1 R27.2 U1.2 U1.3 U1.20 U1.46 U1.55 U1.56 U3.5 U3.8 U4.5 U4.8 U5.16 | length 296.7
  Top Layer w0.254: R4.2@5.715,32.131 R5.2@5.715,29.591 6.604,29.591 v1(6.731,29.464) ; v1(15.969,28.481) 12.7,25.212 12.7,16.68 U3.5@14.84,14.54 13.322,13.022 B1.1@10.145,13.022 10.145,6.492 14.797,1.84 U3.8@22.46,1.84 ; v1@21.303,27.178 R10.2@22.86,27.178 ; U5.16@23.738,38.021 23.817,38.1 24.765,38.1 R14.1@25.146,37.719 v1(25.908,37.719) C24.2@26.67,37.719 ; R13.1@25.273,44.196 v1(26.035,44.196) R12.1@26.797,44.196 ; C15.2@30.48,36.703 30.48,39.37 MK1.1@30.607,39.497 ; R1.1@39.878,22.733 36.703,22.733 35.56,23.876 35.56,26.797 37.084,28.321 40.386,28.321 41.148,27.559 C11.2@41.148,27.432 41.421,27.159 41.846,26.734 41.846,25.845 42.199,25.492 U1.20@45.361,25.492 ; C17.2@45.974,45.085 48.1,42.959 K14.2@48.1,40.97 48.1,39.022 49.276,37.846 C5.2@49.276,35.814 C6.2@49.276,34.417 C7.2@49.276,33.02 49.549,32.747 49.803,32.747 50.568,31.982 50.568,29.188 ; U1.3@50.568,28.299 50.568,29.188 ; U1.2@50.968,28.299 50.968,28.934 50.819,29.083 50.673,29.083 50.568,29.188 ; U1.46@52.176,23.492 53.18,23.492 53.666,23.006 54.464,23.006 C10.2@54.737,22.733 54.887,22.583 v1(54.887,21.975) 56.923,19.939 v1(57.785,19.939) ; U1.55@52.176,27.092 52.784,27.092 52.933,27.241 52.933,27.451 52.892,27.492 ; U1.56@52.176,27.492 52.892,27.492 ; v1(53.696,30.223) 53.718,30.223 53.721,30.226 C4.2@54.483,30.226 C3.2@54.483,28.829 53.467,28.829 53.086,28.448 53.086,27.686 52.892,27.492 ; R27.2@60.452,29.591 v1(61.214,28.829) ; U4.5@64.84,14.54 64.84,14.534 63.373,13.067 63.373,11.43 64.135,10.668 69.723,10.668 v1(71.501,8.89) ; FPC1.7@72.175,58.25 74.252,58.25 C18.1@74.295,58.293 v1(74.295,57.023) ; R11.2@72.771,27.178 v1(72.771,31.623) ; v1(77.47,56.896) 77.47,53.086 75.946,51.562 75.946,47.117 80.391,42.672 80.391,38.862 80.01,38.481 C39.2@79.375,38.481
  Top Layer w0.5: C5.2@49.276,35.814 49.769,35.321 49.885,35.321 50.18,35.026 v1(50.18,33.416)
  Bottom Layer w0.254: v1(6.731,29.464) 7.714,28.481 v1(15.969,28.481) 17.399,27.051 v1(21.082,27.051) 21.763,27.732 34.463,27.732 34.84,28.109 v1(40.831,28.109) ; v1(26.035,44.196) 26.035,37.846 v1(25.908,37.719) 31.369,37.719 31.623,37.973 32.512,37.973 33.401,37.084 v1(34.29,37.084) 34.353,37.148 36.005,37.148 v1(36.068,37.211) v1(37.846,37.211) 38.735,37.211 39.116,36.83 40.005,36.83 42.037,38.862 48.006,38.862 v1(48.133,38.989) ; v1(57.785,19.939) 59.441,19.939 U4.5@64.84,14.54 ; v1(71.501,8.89) 72.46,7.931 U4.8@72.46,1.84 ; v1(74.295,57.023) 77.343,57.023 v1(77.47,56.896)
  Bottom Layer w0.66: v1(40.831,28.109) 41.805,29.083 50.228,29.083 ; v1(50.18,33.416) 50.228,33.368 50.228,29.083 ; 53.53,22.924 52.556,23.898 52.556,29.083 ; v1(53.696,30.223) 52.556,29.083 ; 53.785,22.924 54.733,21.975 55.249,21.975 61.214,27.94 v1(61.214,28.829) ; v1@61.277,28.765 64.135,31.623 v3(79.883,31.623) ; 50.228,29.083 52.556,29.083
  other v1: 30.461,37.726
5V: C37.1 C38.2 D1.1 D2.1 R24.2 U8.4 | length 52.2
  Top Layer w1: D1.1@60.833,66.548 64.008,63.373 74.168,63.373 76.327,61.214 76.327,53.975 73.533,51.181 68.785,51.181 68.199,50.595 C37.1@68.199,50.038 67.754,49.593 ; R24.2@66.548,49.149 67.31,49.149 67.754,49.593 ; D2.1@69.596,47.72 D2.1@69.596,47.62 ; U8.4@75.692,38.232 74.422,39.502 74.422,40.628 74.029,41.021 73.533,41.021 73.08,41.474 C38.2@73.08,42.144 73.08,44.267 70.128,47.22 69.996,47.22 D2.1@69.596,47.62 ; 67.754,49.593 67.822,49.593 69.596,47.82 D2.1@69.596,47.62
ADC_BAT: C45.2 R29.1 R32.2 U1.11 | length 44.3
  Top Layer w0.254: v1(43.106,34.631) 43.106,33.972 43.106,33.47 47.368,29.208 U1.11@47.368,28.299
  Top Layer w0.4: R32.2@67.564,30.353 C45.2@67.564,31.75 R29.1@67.564,33.147 v1(68.58,33.147)
  Bottom Layer w0.4: v1(43.106,34.631) 43.145,34.669 43.145,35.017 44.069,35.941 70.104,35.941 70.739,35.306 70.739,34.163 69.723,33.147 v1(68.58,33.147)
ADC_LX: C25.2 U1.7 U3.6 | length 55.5
  Top Layer w0.254: v1(47.905,31.068) 48.968,30.004 U1.7@48.968,28.299
  Top Layer w0.5: U3.6@14.84,12 16.383,13.543 16.383,16.51 13.733,19.16 13.733,24.232 14.255,24.755 14.722,24.755 C25.2@15.24,25.273 15.24,26.416 v1(18.034,29.21)
  Bottom Layer w0.3: v1(18.034,29.21) 20.524,31.7 46.891,31.7 46.947,31.756 47.425,31.756 47.847,31.334 47.847,31.125 v1(47.905,31.068)
ADC_LY: C27.2 U1.8 U3.9 | length 63.9
  Top Layer w0.254: v1(47.186,31.179) 47.186,31.085 47.351,30.921 47.351,30.838 48.568,29.621 U1.8@48.568,28.299
  Top Layer w0.5: C27.2@16.764,25.273 18.001,25.273 ; v1(19.558,28.702) 19.558,26.83 18.001,25.273 ; U3.9@25,1.84 25.146,1.986 25.146,6.985 19.431,12.7 19.431,23.876 18.034,25.273 18.001,25.273
  Bottom Layer w0.254: v1(19.558,28.702) 21.971,31.115 47.122,31.115 v1(47.186,31.179)
ADC_RX: C26.2 U1.9 U4.6 | length 58
  Top Layer w0.254: v1(44.831,34.678) 44.831,32.751 48.168,29.414 U1.9@48.168,28.299
  Top Layer w0.4: U4.6@64.84,12 66.167,13.327 66.167,17.463 65.405,18.225 65.405,19.558 67.564,21.717 67.564,23.749 C26.2@66.675,24.638 66.675,26.871 69.469,29.665 69.469,34.041 68.834,34.676 v1(68.834,34.692)
  Bottom Layer w0.4: v1(44.831,34.678) 68.82,34.678 v1(68.834,34.692)
ADC_RY: C28.2 U1.10 U4.9 | length 71.1
  Top Layer w0.254: v1(43.896,34.637) 43.896,33.183 47.768,29.311 U1.10@47.768,28.299
  Top Layer w0.4: v1(69.723,34.925) 70.231,34.417 70.231,29.718 68.326,27.813 C28.2@68.326,24.638 69.342,23.622 69.342,14.605 v1(74.676,9.271)
  Bottom Layer w0.254: v1(74.676,9.271) 74.742,9.205 74.742,2.098 U4.9@75,1.84
  Bottom Layer w0.4: v1(43.896,34.637) 44.578,35.319 69.275,35.319 69.669,34.925 v1(69.723,34.925)
BAT: C16.2 C43.2 K11.2 L1.1 R29.2 R33.1 U10.5 U11.3 | length 47
  Top Layer w0.254: C16.2@58.293,41.021 v1(59.436,41.021) ; R33.1@61.214,35.179 61.214,33.909 v1(61.595,33.528)
  Top Layer w1: U11.3@54.8,10.541 61.722,17.463 61.722,25.742 65.14,29.16 65.14,33.02 ; K11.2@56.1,40.97 56.151,41.021 C16.2@58.293,41.021 ; U10.5@63.54,45.273 64.582,45.273 64.742,45.113 64.742,43.7 64.643,43.602 64.643,42.672 ; 65.024,34.925 65.14,34.809 65.14,33.528 65.14,33.02 ; R29.2@66.294,33.147 65.267,33.147 65.14,33.02
  Bottom Layer w0.254: v1(59.436,41.021) v1(64.389,41.021) ; v1(61.595,33.528) v1(64.77,33.528)
BEEP: Q1.1 R6.1 U1.23 | length 40.8
  Top Layer w0.254: R6.1@6.223,22.987 7.952,22.987 8.394,23.429 8.603,23.429 8.669,23.495 v1(8.763,23.495) ; v1(42.177,24.049) 42.271,24.049 42.514,24.292 U1.23@45.361,24.292
  Bottom Layer w0.254: v1(8.763,23.495) 9.317,24.049 17.653,24.049 18.969,22.733 30.053,22.733 31.369,24.049 v1(42.177,24.049)
CH340_N: U6.6 U7.5 | length 14.6
  Top Layer w0.254: U7.5@48.768,47.976 48.768,49.022 49.13,49.384 49.657,49.911 59.698,49.911 60.198,49.411 60.198,48.949 60.579,48.568 U6.6@60.579,48.054
CH340_P: U6.5 U7.6 | length 12.9
  Top Layer w0.254: U7.6@50.038,47.976 50.038,48.562 49.638,48.963 49.638,49.173 49.867,49.403 59.488,49.403 59.69,49.201 59.69,48.949 59.309,48.568 U6.5@59.309,48.054
CHIP_PU: C14.2 K2.1 Q2.3 R4.1 U1.4 | length 120.6
  Top Layer w0.254: K2.1@2.921,31.877 4.445,33.401 R4.1@5.715,33.401 ; v1(6.223,46.863) 6.223,43.561 6.731,43.053 6.731,36.195 C14.2@5.715,35.179 R4.1@5.715,33.401 ; v1(6.731,33.401) R4.1@5.715,33.401 ; v1(49.403,32.131) 50.168,31.366 U1.4@50.168,28.299 ; v1(53.467,59.309) 53.558,59.4 54.415,59.4 Q2.3@54.507,59.309
  Bottom Layer w0.254: v1(6.223,46.863) 6.223,48.873 7.642,50.292 14.859,50.292 20.193,55.626 49.784,55.626 v1(53.467,59.309) ; v1(6.731,33.401) 8.128,33.401 8.636,32.893 48.641,32.893 v1(49.403,32.131)
DTR: Q3.2 R19.1 U6.13 | length 3.8
  Top Layer w0.254: U6.13@58.039,53.8 58.039,55.499 58.039,56.388 Q3.2@58.928,57.277
EN: D7.1 D8.1 R33.2 U8.1 U10.4 | length 26.3
  Top Layer w0.254: D8.1@57.785,36.987 D7.1@59.436,36.987 59.466,36.957 60.198,36.957 60.325,36.83 60.325,36.576 60.452,36.449 R33.2@61.214,36.449 61.595,36.83 v1(61.595,37.973) ; v1@63.119,43.307 62.357,44.069 62.357,45.72 62.747,46.11 63.427,46.11 U10.4@63.54,46.223 ; v1(71.374,40.513) 71.755,40.132 U8.1@73.192,40.132
  Bottom Layer w0.254: v1(61.595,37.973) 63.378,37.973 65.926,40.522 ; v1(63.118,43.33) 65.926,40.522 ; v1@71.312,40.522 65.926,40.522
ESP32_N: R2.2 U7.7 | length 51.3
  Top Layer w0.254: R2.2@39.878,21.59 39.624,21.336 37.294,21.336 34.925,23.705 34.925,29.547 29.718,34.754 29.718,41.7 31.833,43.815 38.989,43.815 41.275,46.101 50.169,46.101 50.414,46.101 v1(50.48,46.034) ; U7.7@51.308,47.976 51.308,47.307 51.577,47.038
  Bottom Layer w0.254: v1(50.48,46.034) 51.115,46.67 51.577,46.67 v1(51.643,46.736)